# KiCad board Ortho62Unified.kicad_pcb
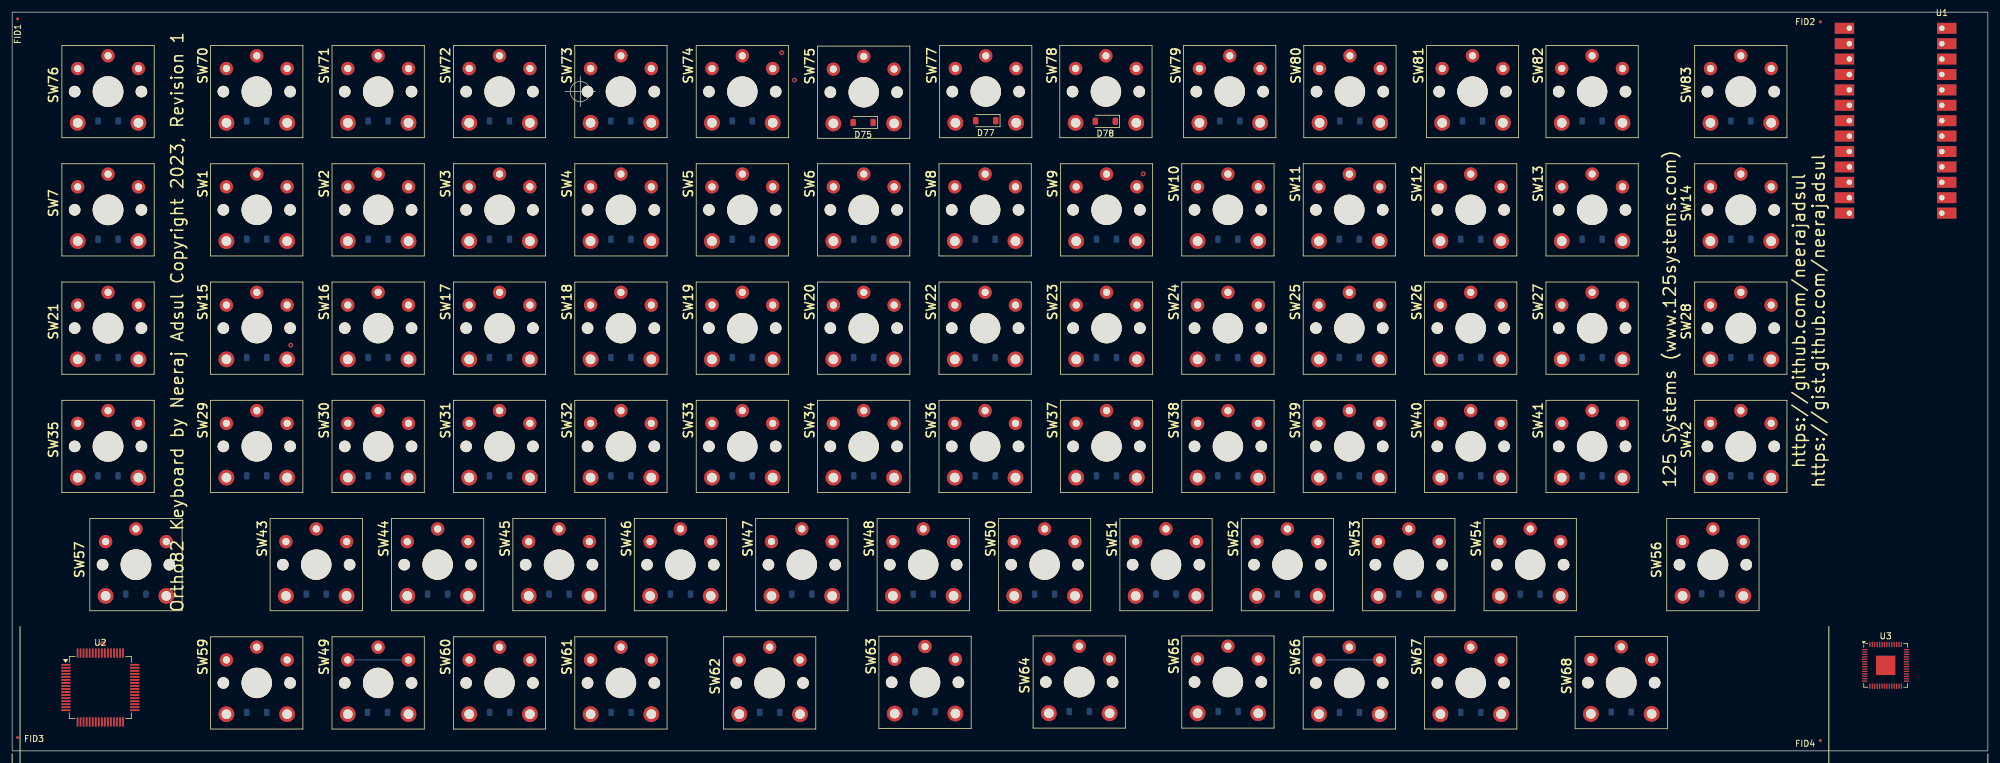
[diagram p0: board, top side]
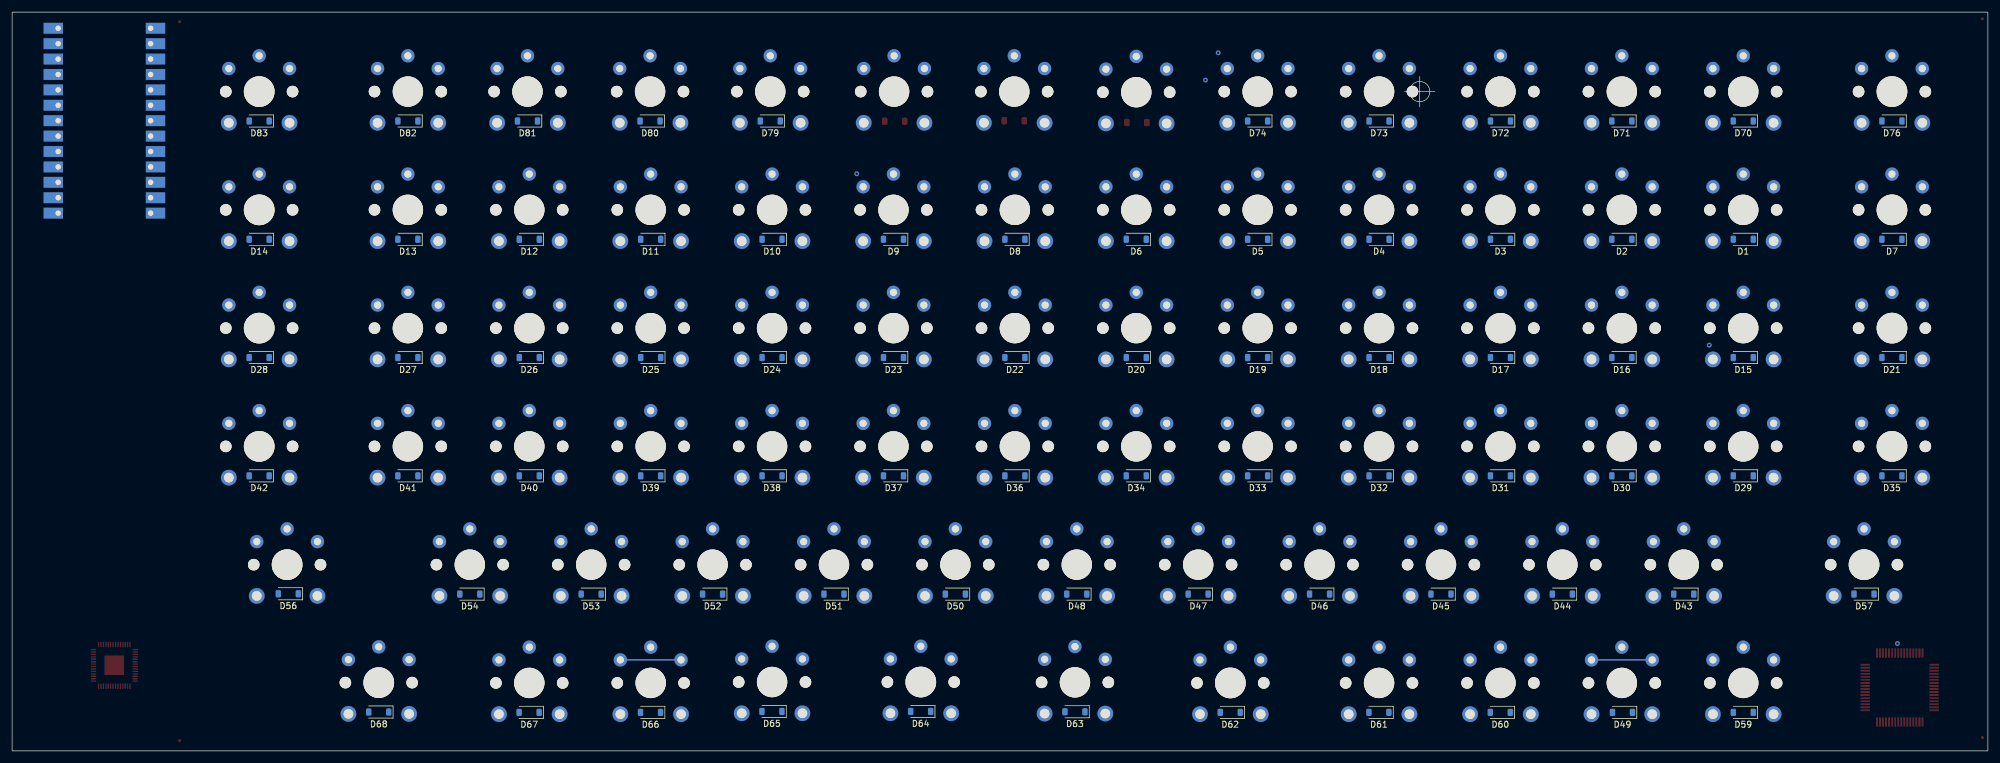
[diagram p1: board, bottom side, seen from below]

Outline 325.5 x 121.8 mm; copper layers: Top, Bottom. Coordinates in mm from the lower left corner of the outline.
Outline path: rectangle 0,121.8 325.5,0
Stack: Top 0.035mm / dielectric 1.51mm FR4 er 4.5 / Bottom 0.035mm

## Placement (name value [footprint] x y rotation side)
D1  1N4148W  [D_SOD-123]  40.3 84.35 0 bottom
D2  1N4148W  [D_SOD-123]  60.3 84.35 0 bottom
D3  1N4148W  [D_SOD-123]  80.3 84.35 0 bottom
D4  1N4148W  [D_SOD-123]  100.3 84.35 0 bottom
D5  1N4148W  [D_SOD-123]  120.3 84.35 0 bottom
D6  1N4148W  [D_SOD-123]  140.3 84.35 0 bottom
D7  1N4148W  [D_SOD-123]  15.8 84.35 0 bottom
D8  1N4148W  [D_SOD-123]  160.3 84.35 0 bottom
D9  1N4148W  [D_SOD-123]  180.3 84.35 0 bottom
D10  1N4148W  [D_SOD-123]  200.3 84.35 0 bottom
D11  1N4148W  [D_SOD-123]  220.3 84.35 0 bottom
D12  1N4148W  [D_SOD-123]  240.3 84.35 0 bottom
D13  1N4148W  [D_SOD-123]  260.3 84.35 0 bottom
D14  1N4148W  [D_SOD-123]  284.8 84.35 0 bottom
D15  1N4148W  [D_SOD-123]  40.3 64.85 0 bottom
D16  1N4148W  [D_SOD-123]  60.3 64.85 0 bottom
D17  1N4148W  [D_SOD-123]  80.3 64.85 0 bottom
D18  1N4148W  [D_SOD-123]  100.3 64.85 0 bottom
D19  1N4148W  [D_SOD-123]  120.3 64.85 0 bottom
D20  1N4148W  [D_SOD-123]  140.3 64.85 0 bottom
D21  1N4148W  [D_SOD-123]  15.8 64.85 0 bottom
D22  1N4148W  [D_SOD-123]  160.3 64.85 0 bottom
D23  1N4148W  [D_SOD-123]  180.3 64.85 0 bottom
D24  1N4148W  [D_SOD-123]  200.3 64.85 0 bottom
D25  1N4148W  [D_SOD-123]  220.3 64.85 0 bottom
D26  1N4148W  [D_SOD-123]  240.3 64.85 0 bottom
D27  1N4148W  [D_SOD-123]  260.3 64.85 0 bottom
D28  1N4148W  [D_SOD-123]  284.8 64.85 0 bottom
D29  1N4148W  [D_SOD-123]  40.3 45.35 0 bottom
D30  1N4148W  [D_SOD-123]  60.3 45.35 0 bottom
D31  1N4148W  [D_SOD-123]  80.3 45.35 0 bottom
D32  1N4148W  [D_SOD-123]  100.3 45.35 0 bottom
D33  1N4148W  [D_SOD-123]  120.3 45.35 0 bottom
D34  1N4148W  [D_SOD-123]  140.3 45.35 0 bottom
D35  1N4148W  [D_SOD-123]  15.8 45.35 0 bottom
D36  1N4148W  [D_SOD-123]  160.3 45.35 0 bottom
D37  1N4148W  [D_SOD-123]  180.3 45.35 0 bottom
D38  1N4148W  [D_SOD-123]  200.3 45.35 0 bottom
D39  1N4148W  [D_SOD-123]  220.3 45.35 0 bottom
D40  1N4148W  [D_SOD-123]  240.3 45.35 0 bottom
D41  1N4148W  [D_SOD-123]  260.3 45.35 0 bottom
D42  1N4148W  [D_SOD-123]  284.8 45.35 0 bottom
D43  1N4148W  [D_SOD-123]  50.1 25.85 0 bottom
D44  1N4148W  [D_SOD-123]  70.1 25.85 0 bottom
D45  1N4148W  [D_SOD-123]  90.1 25.85 0 bottom
D46  1N4148W  [D_SOD-123]  110.1 25.85 0 bottom
D47  1N4148W  [D_SOD-123]  130.1 25.85 0 bottom
D48  1N4148W  [D_SOD-123]  150.1 25.85 0 bottom
D49  1N4148W  [D_SOD-123]  60.2 6.35 0 bottom
D50  1N4148W  [D_SOD-123]  170.1 25.85 0 bottom
D51  1N4148W  [D_SOD-123]  190.1 25.85 0 bottom
D52  1N4148W  [D_SOD-123]  210.1 25.85 0 bottom
D53  1N4148W  [D_SOD-123]  230.1 25.85 0 bottom
D54  1N4148W  [D_SOD-123]  250.1 25.85 0 bottom
D56  1N4148W  [D_SOD-123]  280 25.9 0 bottom
D57  1N4148W  [D_SOD-123]  20.4 25.85 0 bottom
D59  1N4148W  [D_SOD-123]  40.3 6.35 0 bottom
D60  1N4148W  [D_SOD-123]  80.32 6.35 0 bottom
D61  1N4148W  [D_SOD-123]  100.32 6.35 0 bottom
D62  1N4148W  [D_SOD-123]  124.82 6.35 0 bottom
D63  1N4148W  [D_SOD-123]  150.4 6.45 0 bottom
D64  1N4148W  [D_SOD-123]  175.82 6.5 0 bottom
D65  1N4148W  [D_SOD-123]  200.32 6.5 0 bottom
D66  1N4148W  [D_SOD-123]  220.32 6.35 0 bottom
D67  1N4148W  [D_SOD-123]  240.32 6.35 0 bottom
D68  1N4148W  [D_SOD-123]  265.1 6.4 0 bottom
D70  1N4148W  [D_SOD-123]  40.3 103.85 0 bottom
D71  1N4148W  [D_SOD-123]  60.3 103.85 0 bottom
D72  1N4148W  [D_SOD-123]  80.3 103.85 0 bottom
D73  1N4148W  [D_SOD-123]  100.3 103.85 0 bottom
D74  1N4148W  [D_SOD-123]  120.3 103.85 0 bottom
D75  1N4148W  [D_SOD-123]  140.2 103.6 180 top
D76  1N4148W  [D_SOD-123]  15.8 103.85 0 bottom
D77  1N4148W  [D_SOD-123]  160.4 103.9 180 top
D78  1N4148W  [D_SOD-123]  180.1 103.8 180 top
D79  1N4148W  [D_SOD-123]  200.6 103.85 0 bottom
D80  1N4148W  [D_SOD-123]  220.4 103.85 0 bottom
D81  1N4148W  [D_SOD-123]  240.6 103.85 0 bottom
D82  1N4148W  [D_SOD-123]  260.3 103.85 0 bottom
D83  1N4148W  [D_SOD-123]  284.8 103.85 0 bottom
FID1  Fiducial  [Fiducial_0.5mm_Mask1mm]  0.9 120.7 0 top
FID2  Fiducial  [Fiducial_0.5mm_Mask1mm]  297.9 120.2 0 top
FID3  Fiducial  [Fiducial_0.5mm_Mask1mm]  0.9 2.2 0 top
FID4  Fiducial  [Fiducial_0.5mm_Mask1mm]  297.9 1.7 0 top
SW1  SW_Push  [SW_Kailh_Choc_V1V2_1.00u]  40.3 89.2 0 top
SW2  SW_Push  [SW_Kailh_Choc_V1V2_1.00u]  60.3 89.2 0 top
SW3  SW_Push  [SW_Kailh_Choc_V1V2_1.00u]  80.3 89.2 0 top
SW4  SW_Push  [SW_Kailh_Choc_V1V2_1.00u]  100.3 89.2 0 top
SW5  SW_Push  [SW_Kailh_Choc_V1V2_1.00u]  120.3 89.2 0 top
SW6  SW_Push  [SW_Kailh_Choc_V1V2_1.00u]  140.3 89.2 0 top
SW7  SW_Push  [SW_Kailh_Choc_V1V2_1.50u]  15.8 89.2 0 top
SW8  SW_Push  [SW_Kailh_Choc_V1V2_1.00u]  160.3 89.2 0 top
SW9  SW_Push  [SW_Kailh_Choc_V1V2_1.00u]  180.3 89.2 0 top
SW10  SW_Push  [SW_Kailh_Choc_V1V2_1.00u]  200.3 89.2 0 top
SW11  SW_Push  [SW_Kailh_Choc_V1V2_1.00u]  220.3 89.2 0 top
SW12  SW_Push  [SW_Kailh_Choc_V1V2_1.00u]  240.3 89.2 0 top
SW13  SW_Push  [SW_Kailh_Choc_V1V2_1.00u]  260.3 89.2 0 top
SW14  SW_Push  [SW_Kailh_Choc_V1V2_1.50u]  284.8 89.2 0 top
SW15  SW_Push  [SW_Kailh_Choc_V1V2_1.00u]  40.3 69.7 0 top
SW16  SW_Push  [SW_Kailh_Choc_V1V2_1.00u]  60.3 69.7 0 top
SW17  SW_Push  [SW_Kailh_Choc_V1V2_1.00u]  80.3 69.7 0 top
SW18  SW_Push  [SW_Kailh_Choc_V1V2_1.00u]  100.3 69.7 0 top
SW19  SW_Push  [SW_Kailh_Choc_V1V2_1.00u]  120.3 69.7 0 top
SW20  SW_Push  [SW_Kailh_Choc_V1V2_1.00u]  140.3 69.7 0 top
SW21  SW_Push  [SW_Kailh_Choc_V1V2_1.50u]  15.8 69.7 0 top
SW22  SW_Push  [SW_Kailh_Choc_V1V2_1.00u]  160.3 69.7 0 top
SW23  SW_Push  [SW_Kailh_Choc_V1V2_1.00u]  180.3 69.7 0 top
SW24  SW_Push  [SW_Kailh_Choc_V1V2_1.00u]  200.3 69.7 0 top
SW25  SW_Push  [SW_Kailh_Choc_V1V2_1.00u]  220.3 69.7 0 top
SW26  SW_Push  [SW_Kailh_Choc_V1V2_1.00u]  240.3 69.7 0 top
SW27  SW_Push  [SW_Kailh_Choc_V1V2_1.00u]  260.3 69.7 0 top
SW28  SW_Push  [SW_Kailh_Choc_V1V2_1.50u]  284.8 69.7 0 top
SW29  SW_Push  [SW_Kailh_Choc_V1V2_1.00u]  40.3 50.2 0 top
SW30  SW_Push  [SW_Kailh_Choc_V1V2_1.00u]  60.3 50.2 0 top
SW31  SW_Push  [SW_Kailh_Choc_V1V2_1.00u]  80.3 50.2 0 top
SW32  SW_Push  [SW_Kailh_Choc_V1V2_1.00u]  100.3 50.2 0 top
SW33  SW_Push  [SW_Kailh_Choc_V1V2_1.00u]  120.3 50.2 0 top
SW34  SW_Push  [SW_Kailh_Choc_V1V2_1.00u]  140.3 50.2 0 top
SW35  SW_Push  [SW_Kailh_Choc_V1V2_1.50u]  15.8 50.2 0 top
SW36  SW_Push  [SW_Kailh_Choc_V1V2_1.00u]  160.3 50.2 0 top
SW37  SW_Push  [SW_Kailh_Choc_V1V2_1.00u]  180.3 50.2 0 top
SW38  SW_Push  [SW_Kailh_Choc_V1V2_1.00u]  200.3 50.2 0 top
SW39  SW_Push  [SW_Kailh_Choc_V1V2_1.00u]  220.3 50.2 0 top
SW40  SW_Push  [SW_Kailh_Choc_V1V2_1.00u]  240.3 50.2 0 top
SW41  SW_Push  [SW_Kailh_Choc_V1V2_1.00u]  260.3 50.2 0 top
SW42  SW_Push  [SW_Kailh_Choc_V1V2_1.50u]  284.8 50.2 0 top
SW43  SW_Push  [SW_Kailh_Choc_V1V2_1.00u]  50.1 30.7 0 top
SW44  SW_Push  [SW_Kailh_Choc_V1V2_1.00u]  70.1 30.7 0 top
SW45  SW_Push  [SW_Kailh_Choc_V1V2_1.00u]  90.1 30.7 0 top
SW46  SW_Push  [SW_Kailh_Choc_V1V2_1.00u]  110.1 30.7 0 top
SW47  SW_Push  [SW_Kailh_Choc_V1V2_1.00u]  130.1 30.7 0 top
SW48  SW_Push  [SW_Kailh_Choc_V1V2_1.00u]  150.1 30.7 0 top
SW49  SW_Push  [SW_Kailh_Choc_V1V2_1.00u]  60.3 11.2 0 top
SW50  SW_Push  [SW_Kailh_Choc_V1V2_1.00u]  170.1 30.7 0 top
SW51  SW_Push  [SW_Kailh_Choc_V1V2_1.00u]  190.1 30.7 0 top
SW52  SW_Push  [SW_Kailh_Choc_V1V2_1.00u]  210.1 30.7 0 top
SW53  SW_Push  [SW_Kailh_Choc_V1V2_1.00u]  230.1 30.7 0 top
SW54  SW_Push  [SW_Kailh_Choc_V1V2_1.00u]  250.1 30.7 0 top
SW56  SW_Push  [SW_Kailh_Choc_V1V2_2.00u]  280.2 30.7 0 top
SW57  SW_Push  [SW_Kailh_Choc_V1V2_2.00u]  20.4 30.7 0 top
SW59  SW_Push  [SW_Kailh_Choc_V1V2_1.00u]  40.3 11.2 0 top
SW60  SW_Push  [SW_Kailh_Choc_V1V2_1.00u]  80.3 11.2 0 top
SW61  SW_Push  [SW_Kailh_Choc_V1V2_1.00u]  100.3 11.2 0 top
SW62  SW_Push  [SW_Kailh_Choc_V1V2_1.50u]  124.8 11.2 0 top
SW63  SW_Push  [SW_Kailh_Choc_V1V2_1.00u]  150.4 11.3 0 top
SW64  SW_Push  [SW_Kailh_Choc_V1V2_1.50u]  175.8 11.35 0 top
SW65  SW_Push  [SW_Kailh_Choc_V1V2_1.00u]  200.3 11.35 0 top
SW66  SW_Push  [SW_Kailh_Choc_V1V2_1.00u]  220.3 11.2 0 top
SW67  SW_Push  [SW_Kailh_Choc_V1V2_1.00u]  240.3 11.2 0 top
SW68  SW_Push  [SW_Kailh_Choc_V1V2_1.50u]  265.1 11.25 0 top
SW70  SW_Push  [SW_Kailh_Choc_V1V2_1.00u]  40.3 108.7 0 top
SW71  SW_Push  [SW_Kailh_Choc_V1V2_1.00u]  60.3 108.7 0 top
SW72  SW_Push  [SW_Kailh_Choc_V1V2_1.00u]  80.3 108.7 0 top
SW73  SW_Push  [SW_Kailh_Choc_V1V2_1.00u]  100.3 108.7 0 top
SW74  SW_Push  [SW_Kailh_Choc_V1V2_1.00u]  120.3 108.7 0 top
SW75  SW_Push  [SW_Kailh_Choc_V1V2_1.00u]  140.3 108.6 0 top
SW76  SW_Push  [SW_Kailh_Choc_V1V2_1.50u]  15.8 108.7 0 top
SW77  SW_Push  [SW_Kailh_Choc_V1V2_1.00u]  160.4 108.7 0 top
SW78  SW_Push  [SW_Kailh_Choc_V1V2_1.00u]  180.2 108.7 0 top
SW79  SW_Push  [SW_Kailh_Choc_V1V2_1.00u]  200.6 108.7 0 top
SW80  SW_Push  [SW_Kailh_Choc_V1V2_1.00u]  220.4 108.7 0 top
SW81  SW_Push  [SW_Kailh_Choc_V1V2_1.00u]  240.6 108.7 0 top
SW82  SW_Push  [SW_Kailh_Choc_V1V2_1.00u]  260.3 108.7 0 top
SW83  SW_Push  [SW_Kailh_Choc_V1V2_1.50u]  284.8 108.7 0 top
U1  KB2040  [Adafruit_KB2040]  310.3 119.14 0 top
U2  STM32F072R8Tx  [LQFP-64_10x10mm_P0.5mm]  14.52 10.45 0 top
U3  RP2040  [QFN-56-1EP_7x7mm_P0.4mm_EP3.2x3.2mm]  308.66 14.1 0 top

## Library data of the parts
D1-D54 D56 D57 D59-D68 D70-D83 = -: Datasheet: https://www.vishay.com/docs/85748/1n4148w.pdf; Sim.Device: D; Sim.Pins: 1=K 2=A; ki_fp_filters: D*SOD?123*
FID1-FID4 = -: ki_fp_filters: Fiducial*
U2 = -: Datasheet: https://www.st.com/resource/en/datasheet/stm32f072r8.pdf; Description: STMicroelectronics Arm Cortex-M0 MCU, 64KB flash, 16KB RAM, 48 MHz, 2.0-3.6V, 51 GPIO, LQFP64; ki_fp_filters: LQFP*10x10mm*P0.5mm*
U3 = -: Datasheet: https://datasheets.raspberrypi.com/rp2040/rp2040-datasheet.pdf; Description: A microcontroller by Raspberry Pi; ki_fp_filters: QFN*1EP*7x7mm?P0.4mm*

## Footprints (pads in the part's own frame, mm; a bottom-side part is the same pattern mirrored in y, then rotated)
Adafruit_KB2040
  rect 3.2x1.8 hole 0.9: 1(-7.62,0) 2(-7.62,-2.54) 3(-7.62,-5.08) 4(-7.62,-7.62) 5(-7.62,-10.16) 6(-7.62,-12.7) 7(-7.62,-15.24) 8(-7.62,-17.78) 9(-7.62,-20.32) 10(-7.62,-22.86) 11(-7.62,-25.4) 12(-7.62,-27.94) 13(-7.62,-30.48) 14(7.62,-30.48) 15(7.62,-27.94) 16(7.62,-25.4) 17(7.62,-22.86) 18(7.62,-20.32) 19(7.62,-17.78) 20(7.62,-15.24) 21(7.62,-12.7) 22(7.62,-10.16) 23(7.62,-7.62) 24(7.62,-5.08) 25(7.62,-2.54) 26(7.62,0)
D_SOD-123
  rrect 0.9x1.2 smd: 1(-1.65,0) 2(1.65,0)
Fiducial_0.5mm_Mask1mm
  round 0.5 smd: (0,0)
LQFP-64_10x10mm_P0.5mm
  rrect 1.55x0.3 smd: 1(-5.675,3.75) 2(-5.675,3.25) 3(-5.675,2.75) 4(-5.675,2.25) 5(-5.675,1.75) 6(-5.675,1.25) 7(-5.675,0.75) 8(-5.675,0.25) 9(-5.675,-0.25) 10(-5.675,-0.75) 11(-5.675,-1.25) 12(-5.675,-1.75) 13(-5.675,-2.25) 14(-5.675,-2.75) 15(-5.675,-3.25) 16(-5.675,-3.75) 33(5.675,-3.75) 34(5.675,-3.25) 35(5.675,-2.75) 36(5.675,-2.25) 37(5.675,-1.75) 38(5.675,-1.25) 39(5.675,-0.75) 40(5.675,-0.25) 41(5.675,0.25) 42(5.675,0.75) 43(5.675,1.25) 44(5.675,1.75) 45(5.675,2.25) 46(5.675,2.75) 47(5.675,3.25) 48(5.675,3.75)
  rrect 0.3x1.55 smd: 17(-3.75,-5.675) 18(-3.25,-5.675) 19(-2.75,-5.675) 20(-2.25,-5.675) 21(-1.75,-5.675) 22(-1.25,-5.675) 23(-0.75,-5.675) 24(-0.25,-5.675) 25(0.25,-5.675) 26(0.75,-5.675) 27(1.25,-5.675) 28(1.75,-5.675) 29(2.25,-5.675) 30(2.75,-5.675) 31(3.25,-5.675) 32(3.75,-5.675) 49(3.75,5.675) 50(3.25,5.675) 51(2.75,5.675) 52(2.25,5.675) 53(1.75,5.675) 54(1.25,5.675) 55(0.75,5.675) 56(0.25,5.675) 57(-0.25,5.675) 58(-0.75,5.675) 59(-1.25,5.675) 60(-1.75,5.675) 61(-2.25,5.675) 62(-2.75,5.675) 63(-3.25,5.675) 64(-3.75,5.675)
QFN-56-1EP_7x7mm_P0.4mm_EP3.2x3.2mm
  rrect 1.29x1.29 smd: (-0.8,0.8) (-0.8,-0.8) (0.8,0.8) (0.8,-0.8)
  rrect 0.875x0.2 smd: 1(-3.438,2.6) 2(-3.438,2.2) 3(-3.438,1.8) 4(-3.438,1.4) 5(-3.438,1) 6(-3.438,0.6) 7(-3.438,0.2) 8(-3.438,-0.2) 9(-3.438,-0.6) 10(-3.438,-1) 11(-3.438,-1.4) 12(-3.438,-1.8) 13(-3.438,-2.2) 14(-3.438,-2.6) 29(3.438,-2.6) 30(3.438,-2.2) 31(3.438,-1.8) 32(3.438,-1.4) 33(3.438,-1) 34(3.438,-0.6) 35(3.438,-0.2) 36(3.438,0.2) 37(3.438,0.6) 38(3.438,1) 39(3.438,1.4) 40(3.438,1.8) 41(3.438,2.2) 42(3.438,2.6)
  rrect 0.2x0.875 smd: 15(-2.6,-3.438) 16(-2.2,-3.438) 17(-1.8,-3.438) 18(-1.4,-3.438) 19(-1,-3.438) 20(-0.6,-3.438) 21(-0.2,-3.438) 22(0.2,-3.438) 23(0.6,-3.438) 24(1,-3.438) 25(1.4,-3.438) 26(1.8,-3.438) 27(2.2,-3.438) 28(2.6,-3.438) 43(2.6,3.438) 44(2.2,3.438) 45(1.8,3.438) 46(1.4,3.438) 47(1,3.438) 48(0.6,3.438) 49(0.2,3.438) 50(-0.2,3.438) 51(-0.6,3.438) 52(-1,3.438) 53(-1.4,3.438) 54(-1.8,3.438) 55(-2.2,3.438) 56(-2.6,3.438)
  rect 3.2x3.2 smd: 57(0,0)
SW_Kailh_Choc_V1V2_1.00u
  round 1.9 hole 1.9 unplated: (-5.5,0) (5.5,0)
  round 1.65 smd: (-5,-5.15)
  round 2.6 hole 1.6: (-5,-5.15) (5,-5.15)
  round 1.25 smd: (0,5.9) (5,3.8)
  round 5 hole 5 unplated: (0,0)
  round 2.2 hole 1.2: 1(0,5.9) 2(-5,3.8) 2(5,3.8)
SW_Kailh_Choc_V1V2_1.50u
  round 1.9 hole 1.9 unplated: (-5.5,0) (5.5,0)
  round 1.65 smd: (-5,-5.15)
  round 2.6 hole 1.6: (-5,-5.15) (5,-5.15)
  round 1.25 smd: (0,5.9) (5,3.8)
  round 5.05 hole 5.05 unplated: (0,0)
  round 2.2 hole 1.2: 1(0,5.9) 2(-5,3.8) 2(5,3.8)
SW_Kailh_Choc_V1V2_2.00u
  round 1.9 hole 1.9 unplated: (-5.5,0) (5.5,0)
  round 1.65 smd: (-5,-5.15)
  round 2.6 hole 1.6: (-5,-5.15) (5,-5.15)
  round 1.25 smd: (0,5.9) (5,3.8)
  round 5.05 hole 5.05 unplated: (0,0)
  round 2.2 hole 1.2: 1(0,5.9) 2(-5,3.8) 2(5,3.8)

## Nets
/COL_0: SW1.1 SW15.1 SW29.1 SW43.1 SW57.1 SW70.1
/COL_1: SW2.1 SW16.1 SW30.1 SW44.1 SW71.1
/COL_2: SW3.1 SW17.1 SW31.1 SW45.1 SW59.1 SW72.1
/COL_3: SW4.1 SW18.1 SW32.1 SW46.1 SW60.1 SW73.1
/COL_4: SW5.1 SW19.1 SW33.1 SW47.1 SW61.1 SW74.1
/COL_5: SW6.1 SW20.1 SW34.1 SW48.1 SW62.1 SW75.1
/COL_6: SW7.1 SW21.1 SW35.1 SW49.1 SW76.1
/COL_7: SW8.1 SW22.1 SW36.1 SW50.1 SW63.1 SW77.1
/COL_8: SW9.1 SW23.1 SW37.1 SW51.1 SW64.1 SW78.1
/COL_9: SW10.1 SW24.1 SW38.1 SW52.1 SW65.1 SW79.1
/COL_10: SW11.1 SW25.1 SW39.1 SW53.1 SW66.1 SW80.1
/COL_11: SW12.1 SW26.1 SW40.1 SW54.1 SW67.1 SW81.1
/COL_12: SW13.1 SW27.1 SW41.1 SW68.1 SW82.1
/COL_13: SW14.1 SW28.1 SW42.1 SW56.1 SW83.1
/ROW_0: D1.1 D2.1 D3.1 D4.1 D5.1 D6.1 D7.1 D8.1 D9.1 D10.1 D11.1 D12.1 D13.1 D14.1
/ROW_1: D15.1 D16.1 D17.1 D18.1 D19.1 D20.1 D21.1 D22.1 D23.1 D24.1 D25.1 D26.1 D27.1 D28.1
/ROW_2: D29.1 D30.1 D31.1 D32.1 D33.1 D34.1 D35.1 D36.1 D37.1 D38.1 D39.1 D40.1 D41.1 D42.1
/ROW_3: D43.1 D44.1 D45.1 D46.1 D47.1 D48.1 D49.1 D50.1 D51.1 D52.1 D53.1 D54.1 D56.1
/ROW_4: D57.1 D59.1 D60.1 D61.1 D62.1 D63.1 D64.1 D65.1 D66.1 D67.1 D68.1
/ROW_F: D70.1 D71.1 D72.1 D73.1 D74.1 D75.1 D76.1 D77.1 D78.1 D79.1 D80.1 D81.1 D82.1 D83.1
Net-(D1-A): D1.2 SW1.2
Net-(D2-A): D2.2 SW2.2
Net-(D3-A): D3.2 SW3.2
Net-(D4-A): D4.2 SW4.2
Net-(D5-A): D5.2 SW5.2
Net-(D6-A): D6.2 SW6.2
Net-(D7-A): D7.2 SW7.2
Net-(D8-A): D8.2 SW8.2
Net-(D9-A): D9.2 SW9.2
Net-(D10-A): D10.2 SW10.2
Net-(D11-A): D11.2 SW11.2
Net-(D12-A): D12.2 SW12.2
Net-(D13-A): D13.2 SW13.2
Net-(D14-A): D14.2 SW14.2
Net-(D15-A): D15.2 SW15.2
Net-(D16-A): D16.2 SW16.2
Net-(D17-A): D17.2 SW17.2
Net-(D18-A): D18.2 SW18.2
Net-(D19-A): D19.2 SW19.2
Net-(D20-A): D20.2 SW20.2
Net-(D21-A): D21.2 SW21.2
Net-(D22-A): D22.2 SW22.2
Net-(D23-A): D23.2 SW23.2
Net-(D24-A): D24.2 SW24.2
Net-(D25-A): D25.2 SW25.2
Net-(D26-A): D26.2 SW26.2
Net-(D27-A): D27.2 SW27.2
Net-(D28-A): D28.2 SW28.2
Net-(D29-A): D29.2 SW29.2
Net-(D30-A): D30.2 SW30.2
Net-(D31-A): D31.2 SW31.2
Net-(D32-A): D32.2 SW32.2
Net-(D33-A): D33.2 SW33.2
Net-(D34-A): D34.2 SW34.2
Net-(D35-A): D35.2 SW35.2
Net-(D36-A): D36.2 SW36.2
Net-(D37-A): D37.2 SW37.2
Net-(D38-A): D38.2 SW38.2
Net-(D39-A): D39.2 SW39.2
Net-(D40-A): D40.2 SW40.2
Net-(D41-A): D41.2 SW41.2
Net-(D42-A): D42.2 SW42.2
Net-(D43-A): D43.2 SW43.2
Net-(D44-A): D44.2 SW44.2
Net-(D45-A): D45.2 SW45.2
Net-(D46-A): D46.2 SW46.2
Net-(D47-A): D47.2 SW47.2
Net-(D48-A): D48.2 SW48.2
Net-(D49-A): D49.2 SW49.2
Net-(D50-A): D50.2 SW50.2
Net-(D51-A): D51.2 SW51.2
Net-(D52-A): D52.2 SW52.2
Net-(D53-A): D53.2 SW53.2
Net-(D54-A): D54.2 SW54.2
Net-(D56-A): D56.2 SW56.2
Net-(D57-A): D57.2 SW57.2
Net-(D59-A): D59.2 SW59.2
Net-(D60-A): D60.2 SW60.2
Net-(D61-A): D61.2 SW61.2
Net-(D62-A): D62.2 SW62.2
Net-(D63-A): D63.2 SW63.2
Net-(D64-A): D64.2 SW64.2
Net-(D65-A): D65.2 SW65.2
Net-(D66-A): D66.2 SW66.2
Net-(D67-A): D67.2 SW67.2
Net-(D68-A): D68.2 SW68.2
Net-(D70-A): D70.2 SW70.2
Net-(D71-A): D71.2 SW71.2
Net-(D72-A): D72.2 SW72.2
Net-(D73-A): D73.2 SW73.2
Net-(D74-A): D74.2 SW74.2
Net-(D75-A): D75.2 SW75.2
Net-(D76-A): D76.2 SW76.2
Net-(D77-A): D77.2 SW77.2
Net-(D78-A): D78.2 SW78.2
Net-(D79-A): D79.2 SW79.2
Net-(D80-A): D80.2 SW80.2
Net-(D81-A): D81.2 SW81.2
Net-(D82-A): D82.2 SW82.2
Net-(D83-A): D83.2 SW83.2
Net-(U2-VSS-Pad18): U2.18 U2.31 U2.47 U2.63
Net-(U3-DVDD-Pad23): U3.23 U3.50
Net-(U3-IOVDD-Pad1): U3.1 U3.10 U3.22 U3.33 U3.42 U3.49

Pads without a net: U1 1 2 3 4 5 6 7 8 9 10 11 12 13 14 15 16 17 18 19 20 21 22 23 24 25 26; U2 1 2 3 4 5 6 7 8 9 10 11 12 13 14 15 16 17 19 20 21 22 23 24 25 26 27 28 29 30 32 33 34 35 36 37 38 39 40 41 42 43 44 45 46 48 49 50 51 52 53 54 55 56 57 58 59 60 61 62 64; U3 2 3 4 5 6 7 8 9 11 12 13 14 15 16 17 18 19 20 21 24 25 26 27 28 29 30 31 32 34 35 36 37 38 39 40 41 43 44 45 46 47 48 51 52 53 54 55 56 57

## Via types
v1: diameter 0.8, hole 0.4, Top to Bottom, 5 vias

## Routing (per net, layer and track width the routed paths; a pad name or vN(x,y) marks a point on that pad's centre or on a via; arc(x,y) is an arc through that point)
(no net):
  vias: v1(14.9,17.7) v1(45.9,66.9) v1(126.8,115.1) v1(128.9,110.6) v1(186.35,95.15)
Net-(D49-A): length 10
  Bottom w0.25: SW49.2 SW49.2
Net-(D66-A): length 10
  Bottom w0.25: SW66.2 SW66.2

## Text on the board
F.Fab: MacSplit66 Keyboard by Neeraj Adsul / Copyright 2022, 125 Systems. / Revision 1
F.Silkscreen: Ortho82 Keyboard by Neeraj Adsul Copyright 2023, Revision 1 | 125 Systems (www.125systems.com) | https://github.com/neerajadsul / https://gist.github.com/neerajadsul
